# KiCad board cm4-baseboard.kicad_pcb (continued)
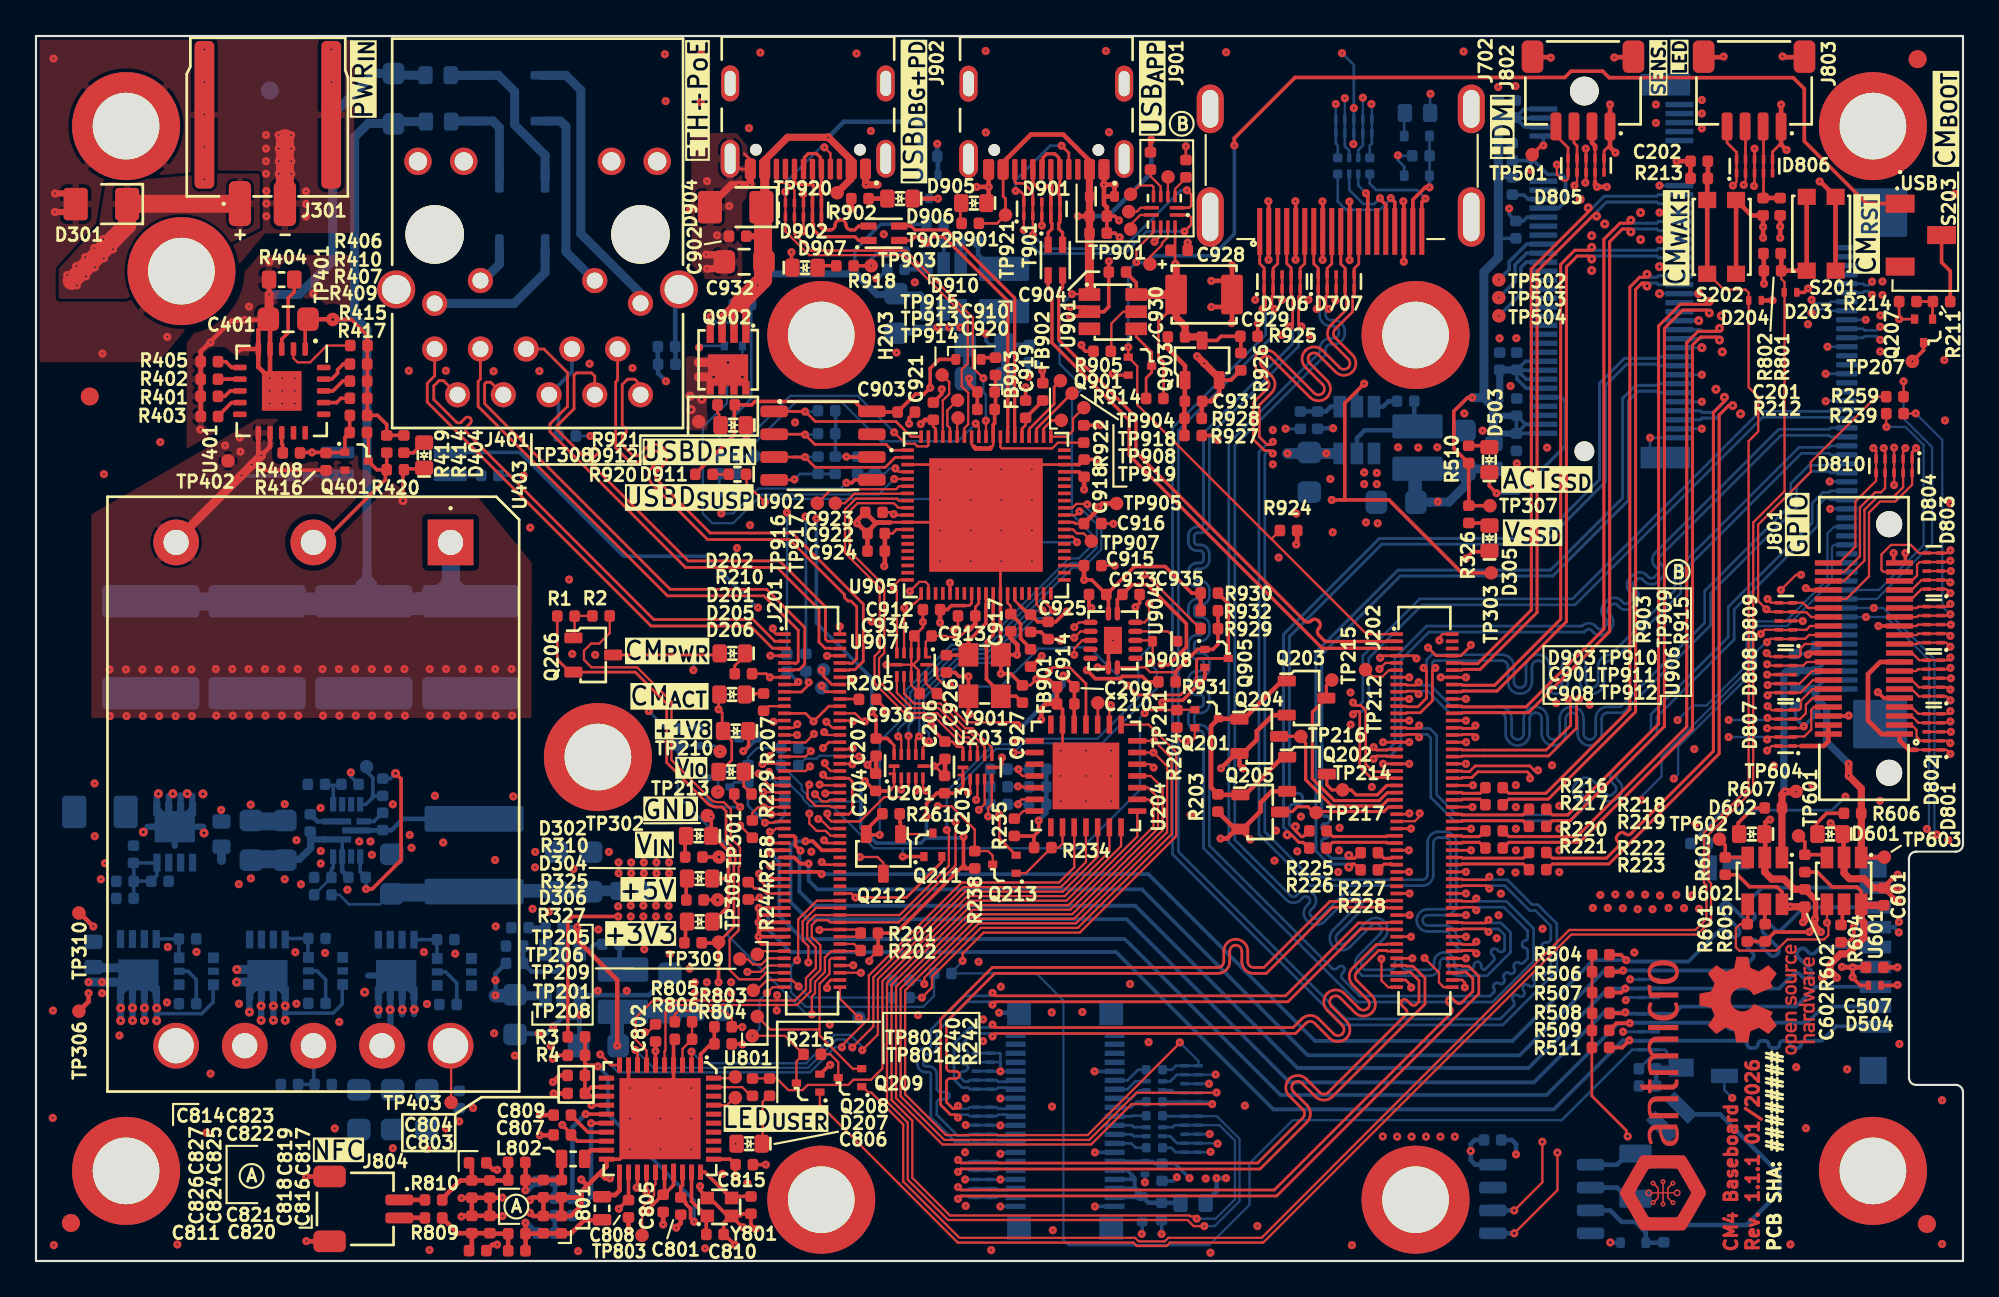
[diagram p0: board, top side]
## Library data of the parts (continued)
R308 R322-R324 R328 = -: Datasheet: https://fscdn.rohm.com/en/products/databook/datasheet/passive/resistor/chip_resistor/pmr-jpw-e.pdf; Manufacturer: ROHM Semiconductor; MPN: PMR03EZPJ000; Val: 0R; Author: Antmicro; License: Apache-2.0; Max. Curr.: 22.4A; Tolerance: template_tolerance
R316 R917 = -: Datasheet: https://www.bourns.com/docs/product-datasheets/cr.pdf; Manufacturer: Bourns; MPN: CR0402-FX-1502GLF; Val: 15k; License: Apache-2.0; Author: Antmicro; Tolerance: 1%
R317 = -: Datasheet: https://www.bourns.com/docs/product-datasheets/cr.pdf; MPN: CR0402-FX-2001GLF; Manufacturer: Bourns; License: Apache-2.0; Author: Antmicro; Val: 2k; Tolerance: 1%
R318 R320 R912 = -: Datasheet: https://www.bourns.com/docs/product-datasheets/cr.pdf; MPN: CR0402-FX-6801GLF; Manufacturer: Bourns; License: Apache-2.0; Author: Antmicro; Val: 6k8; Tolerance: 1%
R401 = -: Datasheet: https://www.bourns.com/docs/product-datasheets/cr.pdf; Manufacturer: Bourns; MPN: CR0402-FX-1301GLF; Val: 1k3; License: Apache-2.0; Author: Antmicro; Tolerance: 1%
R402 = -: Datasheet: https://www.bourns.com/docs/product-datasheets/cr.pdf; Manufacturer: Bourns; MPN: CR0402-FX-4992GLF; Val: 49k9; License: Apache-2.0; Author: Antmicro; Tolerance: 1%
R404 = -: Datasheet: https://www.bourns.com/docs/product-datasheets/cr.pdf; Manufacturer: Bourns; MPN: CR0603-FX-63R4ELF; Val: 63R4; License: Apache-2.0; Author: Antmicro; Tolerance: 1%
R405 = -: Datasheet: https://www.bourns.com/docs/product-datasheets/cr.pdf; Manufacturer: Bourns; MPN: CR0402-FX-1201GLF; Val: 1k2; License: Apache-2.0; Author: Antmicro; Tolerance: 1%
R406 R414 = -: Datasheet: https://www.bourns.com/docs/product-datasheets/cr.pdf; Manufacturer: Bourns; MPN: CR0402-FX-2492GLF; Val: 24k9; License: Apache-2.0; Author: Antmicro; Tolerance: 1%
R415 R419 = -: Datasheet: https://www.bourns.com/docs/product-datasheets/cr.pdf; Manufacturer: Bourns; MPN: CR0402-FX-4703GLF; Val: 470k; License: Apache-2.0; Author: Antmicro; Tolerance: 1%
R701 = -: Datasheet: http://industrial.panasonic.com/cdbs/www-data/pdf/AOC0000/AOC0000C14.pdf; MPN: EXB-28V101JX; Manufacturer: Panasonic; License: Apache-2.0; Author: Antmicro; Val: R_4x100R_0402
R705 R706 = -: Datasheet: http://industrial.panasonic.com/cdbs/www-data/pdf/AOC0000/AOC0000C14.pdf; MPN: EXB-28V101JX; Manufacturer: Panasonic; Author: Antmicro; License: Apache-2.0; Val: R_4x100R_0402
R807 R808 R811 = -: Datasheet: https://www.bourns.com/docs/product-datasheets/cr.pdf; Description: SMD Chip Resistor, 2.2 kohm, ± 1%, 62.5 mW, 0402 [1005 Metric], Thick Film, General Purpose; MPN: CR0402-FX-2201GLF; Manufacturer: Bourns; License: Apache-2.0; Author: Antmicro; Val: 2k2; Tolerance: 1%
R903 = -: Datasheet: https://www.bourns.com/docs/product-datasheets/cr.pdf; MPN: CR0402-FX-9103GLF; Manufacturer: Bourns; License: Apache-2.0; Author: Antmicro; Val: 910k; Tolerance: 1%
R921 = -: Datasheet: https://www.bourns.com/docs/product-datasheets/cr.pdf; MPN: CR0402-FX-4700GLF; Manufacturer: Bourns; License: Apache-2.0; Author: Antmicro; Val: 470R; Tolerance: 1%
R922 = -: Datasheet: https://www.bourns.com/docs/product-datasheets/cr.pdf; Manufacturer: Bourns; MPN: CR0402-FX-1202GLF; Val: 12k; License: Apache-2.0; Author: Antmicro; Tolerance: 1%
R926 = -: Datasheet: https://www.bourns.com/docs/product-datasheets/cr.pdf; MPN: CR0402-FX-2000GLF; Manufacturer: Bourns; License: Apache-2.0; Author: Antmicro; Val: 200R; Tolerance: 1%
S201 S202 = -: Datasheet: http://www.farnell.com/datasheets/2631211.pdf; MPN: KMR211NGLFS; Manufacturer: C&K; Author: Antmicro; License: Apache-2.0
S203 = -: Datasheet: https://www.nidec-components.com/e/catalog/switch/cas.pdf; Manufacturer: Nidec Components; Author: Antmicro; License: Apache-2.0
T901 T902 = -: Datasheet: https://www.murata.com/en-us/products/productdetail?partno=DLW21SN900SQ2%23; Manufacturer: Murata; MPN: DLW21SN900SQ2L; IMax: 0.33 A; Author: Antmicro; License: Apache-2.0; ki_fp_filters: IND_ACM9070_TDK
TP201-TP217 TP301-TP310 TP401-TP403 TP501-TP504 TP601-TP604 TP801-TP803 TP901-TP921 = -: Author: Antmicro; License: Apache-2.0
U201 U203 U907 = -: Datasheet: http://www.ti.com/lit/ds/symlink/txb0104.pdf; Manufacturer: Texas Instruments; MPN: TXB0104RUTR; Author: Antmicro; License: Apache-2.0; ki_fp_filters: Texas*R*PUQFN*N12*
U204 = -: Datasheet: https://ww1.microchip.com/downloads/aemDocuments/documents/APID/ProductDocuments/DataSheets/MCP23017-Data-Sheet-DS20001952.pdf; Manufacturer: Microchip Technology; MPN: MCP23017T-E/ML; Author: Antmicro; License: Apache-2.0
U301 U302 U903 = -: Datasheet: https://www.diodes.com/assets/Datasheets/AP62300_AP62301_AP62300T.pdf; MPN: AP62301WU-7; Manufacturer: Diodes Incorporated; Author: Antmicro; License: Apache-2.0
U303 = -: Datasheet: https://www.diodes.com/assets/Datasheets/AP62600.pdf; Manufacturer: Diodes Incorporated; Author: Antmicro; License: Apache-2.0
U401 = -: Datasheet: https://www.ti.com/lit/ds/symlink/tps2372.pdf?ts=1679042478513&ref_url=https%253A%252F%252Fwww.google.com%252F; Manufacturer: Texas Instruments; Author: Antmicro; License: Apache-2.0
U402 = -: Datasheet: https://docs.broadcom.com/doc/AV02-0470EN; Description: Broadcom ACPL-217-500E DC Input Transistor Output Optocoupler, Surface Mount, 4-Pin SO; Manufacturer: Broadcom; Author: Antmicro; License: Apache-2.0
U403 = -: Datasheet: https://www.murata.com/products/productdata/8807040286750/uls.pdf?1649388617000; Description: Isolated Through Hole DC/DC Converter, ITE, 2:1, 60 W, 1 Output, 12 V, 5 A; Manufacturer: Murata; MPN: ULS-12/5-D48N-C; Author: Antmicro; License: Apache-2.0; Alternatives 50W: VCB4812SBO-50WR3, V36SE12004NRFA, PKU5513ESI, KHHD004A2B41Z; Alternatives 75W: VCB4812SBO-75WR3; Alternatives 100W: PKU4913DPIHS, VCB4812SBO-100WFR3; Alternatives 120W: PQC50-48-S12-O
U601 U602 U901 = -: Datasheet: https://www.mouser.com/datasheet/2/115/DIOD_S_A0008958405_1-2543193.pdf; MPN: AP22615AWU-7; Manufacturer: Diodes Incorporated; Author: Antmicro; License: Apache-2.0
U801 = -: Datasheet: https://www.nxp.com/docs/en/data-sheet/PN7160_PN7161.pdf; MPN: PN7160A1HN/C100E; Manufacturer: NXP; Author: Antmicro; License: Apache-2.0; ki_fp_filters: QFN40_PN7160_NXP QFN40_PN7160_NXP-M QFN40_PN7160_NXP-L
U802 = -: Datasheet: https://www.analog.com/media/en/technical-documentation/data-sheets/DS1338-DS1338Z.pdf; Description: Real-time clock/calendar,  1.71V-5.5V supply, I2C, SOIC-8; MPN: DS1338Z-18+; Manufacturer: Maxim Integrated Products; Author: Antmicro; License: Apache-2.0
U902 = -: Datasheet: https://ww1.microchip.com/downloads/aemDocuments/documents/MPD/ProductDocuments/DataSheets/93AA66X-93LC66X-93C66X-4-Kbit-Microwire-Compatible-Serial-EEPROM-Data-Sheet.pdf; MPN: 93AA66C-I/SN; Manufacturer: Microchip Technology; Author: Antmicro; License: Apache-2.0; ki_fp_filters: DIP*W7.62mm* SOIC*3.9x4.9mm*
U904 = -: Datasheet: https://www.nxp.com/docs/en/data-sheet/NTS0104.pdf; MPN: NTS0104BQ; Manufacturer: NXP; Author: Antmicro; License: Apache-2.0
U905 = -: Datasheet: https://ftdichip.com/wp-content/uploads/2023/09/DS_FT4233HP-v1.5.pdf; MPN: FT4233HPQ-REEL; Manufacturer: FTDI Chip; License: Apache-2.0; Author: Antmicro
U906 = -: Datasheet: https://www.ti.com/lit/ds/symlink/tusb321.pdf?ts=1709901243739; Manufacturer: Texas Instruments; Author: Antmicro; License: Apache-2.0
Y801 = -: Datasheet: https://www.murata.com/products/productdata/8801078247454/SPEC-XRCGB27M120F3M13R0.pdf?1541043011000; MPN: XRCGB27M120F3M13R0; Manufacturer: Murata; Author: Antmicro; License: Apache-2.0; Val: 27.12MHz; CLoad: 10pF
Y802 = -: Datasheet: https://www.microcrystal.com/fileadmin/Media/Products/32kHz/Datasheet/CM7V-T1A.pdf; Description: Crystal, 32.768 kHz, SMD, 3.2mm x 1.5mm, 12.5 pF, 20 ppm, CC7V-T1A; MPN: CM7V-T1A-32.768kHz-12.5pF-20PPM-TC-QA; Manufacturer: Micro Crystal; Val: 32.768 kHz; Author: Antmicro; License: Apache-2.0
Y901 = -: Datasheet: https://abracon.com/Resonators/ABM8G.pdf; MPN: ABM8G-12.000MHZ-18-D2Y-T; Manufacturer: Abracon; Val: 12 MHz; Author: Antmicro; License: Apache-2.0

## Footprints (pads in the part's own frame, mm; a bottom-side part is the same pattern mirrored in y, then rotated)
Bus_M.2_Socket_Key_M_TE_1-2199230-6
  round 1.1 hole 1.1 unplated: (-10,-1.499)
  round 1.6 hole 1.6 unplated: (9.997,-1.499)
  rect 0.3x1.55 smd: 1(-9.25,3.775) 2(-9.003,-3.773) 3(-8.753,3.775) 4(-8.503,-3.773) 5(-8.253,3.775) 6(-8.001,-3.773) 7(-7.752,3.775) 8(-7.502,-3.773) 9(-7.252,3.775) 10(-7.002,-3.773) 11(-6.752,3.775) 12(-6.502,-3.773) 13(-6.252,3.775) 14(-6.002,-3.773) 15(-5.752,3.775) 16(-5.502,-3.773) 17(-5.252,3.775) 18(-5.002,-3.773) 19(-4.752,3.775) 20(-4.502,-3.773) 21(-4.252,3.775) 22(-4.002,-3.773) 23(-3.751,3.775) 24(-3.501,-3.773) 25(-3.251,3.775) 26(-3.001,-3.773) 27(-2.751,3.775) 28(-2.501,-3.773) 29(-2.251,3.775) 30(-2.001,-3.773) 31(-1.752,3.775) 32(-1.502,-3.773) 33(-1.252,3.775) 34(-1.002,-3.773) 35(-0.751,3.775) 36(-0.501,-3.773) 37(-0.251,3.775) 38(-0.001,-3.773) 39(0.248,3.775) 40(0.498,-3.773) 41(0.748,3.775) 42(0.998,-3.773) 43(1.249,3.775) 44(1.499,-3.773) 45(1.749,3.775) 46(1.999,-3.773) 47(2.249,3.775) 48(2.499,-3.773) 49(2.749,3.775) 50(2.999,-3.773) 51(3.249,3.775) 52(3.499,-3.773) 53(3.749,3.775) 54(3.999,-3.773) 55(4.248,3.775) 56(4.498,-3.773) 57(4.748,3.775) 58(4.998,-3.773) 67(7.248,3.775) 68(7.498,-3.773) 69(7.748,3.775) 70(7.998,-3.773) 71(8.247,3.775) 72(8.497,-3.773) 73(8.747,3.775) 74(8.997,-3.773) 75(9.247,3.775)
  rect 1.2x2.75 smd: MP1(-10.352,3) MP2(10.349,3)
C_0402_1005Metric
  rrect 0.59x0.64 smd: 1(-0.48,0) 2(0.48,0)
C_0805_2012Metric
  rrect 1.2x1.3 smd: 1(-1.1,0) 2(1.1,0)
C_2220_5650Metric
  rrect 1.8x5.4 smd: 1(-2.55,0) 2(2.55,0)
C_Pol_EIA-B
  rrect 1.2x2.2 smd: 1(-1.551,0) 2(1.55,0)
Choke_Murata-DLW21
  rrect 0.9x0.4 smd: 1(-0.85,-0.4) 2(0.85,-0.4) 3(0.85,0.4) 4(-0.85,0.4)
Conn_FFC_WE_68715014x22
  rrect 0.3x1.2 smd: 1(-12.25,2.15) 2(-11.75,2.15) 3(-11.25,2.15) 4(-10.75,2.15) 5(-10.25,2.15) 6(-9.75,2.15) 7(-9.25,2.15) 8(-8.75,2.15) 9(-8.25,2.15) 10(-7.75,2.15) 11(-7.25,2.15) 12(-6.75,2.15) 13(-6.25,2.15) 14(-5.75,2.15) 15(-5.25,2.15) 16(-4.75,2.15) 17(-4.25,2.15) 18(-3.75,2.15) 19(-3.25,2.15) 20(-2.75,2.15) 21(-2.25,2.15) 22(-1.75,2.15) 23(-1.25,2.15) 24(-0.75,2.15) 25(-0.25,2.15) 26(0.248,2.15) 27(0.748,2.15) 28(1.249,2.15) 29(1.749,2.15) 30(2.249,2.15) 31(2.749,2.15) 32(3.249,2.15) 33(3.749,2.15) 34(4.248,2.15) 35(4.748,2.15) 36(5.248,2.15) 37(5.749,2.15) 38(6.249,2.15) 39(6.749,2.15) 40(7.249,2.15) 41(7.749,2.15) 42(8.249,2.15) 43(8.749,2.15) 44(9.249,2.15) 45(9.749,2.15) 46(10.249,2.15) 47(10.749,2.15) 48(11.249,2.15) 49(11.749,2.15) 50(12.249,2.15)
  rrect 2.7x3 smd: MP1(-14.198,0.3) MP2(14.198,0.3)
Conn_JST_SH_1x2_SM02B-SRSS-TB-LF-SN
  rrect 0.6x1.55 smd: 1(-0.5,1.975) 2(0.5,1.975)
  rrect 1.2x1.8 smd: MP(-1.8,-1.9) MP(1.8,-1.9)
Conn_JST_SH_1x4_SM04B-SRSS-TB-LF-SN
  rrect 0.6x1.55 smd: 1(-1.5,2.12) 2(-0.5,2.12) 3(0.5,2.12) 4(1.5,2.12)
  rrect 1.2x1.8 smd: MP(-2.8,-1.755) MP(2.8,-1.755)
Conn_Molex_Nano-Fit_1x2_SMD_1054301202
  rrect 1.24x2.5 smd: 1(1.528,4.901) 2(-0.97,4.901)
  rrect 1.1x8.2 smd: MP(-3.54,-0.029) MP(3.499,-0.029)
Conn_Socket_Hirose_DF40_2x50_DF40HC-3.0-100DS-0.4V
  rect 0.2x0.7 smd: 1(-9.798,-1.547) 2(-9.798,1.534) 3(-9.398,-1.547) 4(-9.398,1.534) 5(-8.997,-1.547) 6(-8.997,1.534) 7(-8.597,-1.547) 8(-8.597,1.534) 9(-8.196,-1.547) 10(-8.196,1.534) 11(-7.797,-1.547) 12(-7.797,1.534) 13(-7.397,-1.547) 14(-7.397,1.534) 15(-6.997,-1.547) 16(-6.997,1.534) 17(-6.596,-1.547) 18(-6.596,1.534) 19(-6.197,-1.547) 20(-6.197,1.534) 21(-5.797,-1.547) 22(-5.797,1.534) 23(-5.398,-1.547) 24(-5.398,1.534) 25(-4.997,-1.547) 26(-4.997,1.534) 27(-4.596,-1.547) 28(-4.596,1.534) 29(-4.197,-1.547) 30(-4.197,1.534) 31(-3.795,-1.547) 32(-3.795,1.534) 33(-3.396,-1.547) 34(-3.396,1.534) 35(-2.997,-1.547) 36(-2.997,1.534) 37(-2.598,-1.547) 38(-2.598,1.534) 39(-2.198,-1.547) 40(-2.198,1.534) 41(-1.798,-1.547) 42(-1.798,1.534) 43(-1.396,-1.547) 44(-1.396,1.534) 45(-0.997,-1.547) 46(-0.997,1.534) 47(-0.597,-1.547) 48(-0.597,1.534) 49(-0.198,-1.547) 50(-0.198,1.534) 51(0.203,-1.547) 52(0.203,1.534) 53(0.602,-1.547) 54(0.602,1.534) 55(1.002,-1.547) 56(1.002,1.534) 57(1.401,-1.547) 58(1.401,1.534) 59(1.803,-1.547) 60(1.803,1.534) 61(2.203,-1.547) 62(2.203,1.534) 63(2.603,-1.547) 64(2.603,1.534) 65(3.002,-1.547) 66(3.002,1.534) 67(3.402,-1.547) 68(3.402,1.534) 69(3.802,-1.547) 70(3.802,1.534) 71(4.203,-1.547) 72(4.203,1.534) 73(4.602,-1.547) 74(4.602,1.534) 75(5.002,-1.547) 76(5.002,1.534) 77(5.403,-1.547) 78(5.403,1.534) 79(5.802,-1.547) 80(5.802,1.534) 81(6.203,-1.547) 82(6.203,1.534) 83(6.602,-1.547) 84(6.602,1.534) 85(7.001,-1.547) 86(7.001,1.534) 87(7.403,-1.547) 88(7.403,1.534) 89(7.802,-1.547) 90(7.802,1.534) 91(8.202,-1.547) 92(8.202,1.534) 93(8.602,-1.547) 94(8.602,1.534) 95(9.002,-1.547) 96(9.002,1.534) 97(9.403,-1.547) 98(9.403,1.534) 99(9.803,-1.547) 100(9.803,1.534)
Conn_Socket_Molex_SlimStack_2x20_543630489
  rect 0.3x1.1 smd: 1(-4.748,-2.755) 2(-4.748,2.742) 3(-4.248,-2.755) 4(-4.248,2.742) 5(-3.748,-2.755) 6(-3.748,2.742) 7(-3.248,-2.755) 8(-3.248,2.742) 9(-2.748,-2.755) 10(-2.748,2.742) 11(-2.248,-2.755) 12(-2.248,2.742) 13(-1.748,-2.755) 14(-1.748,2.742) 15(-1.248,-2.755) 16(-1.248,2.742) 17(-0.748,-2.755) 18(-0.748,2.742) 19(-0.248,-2.755) 20(-0.248,2.742) 21(0.252,-2.755) 22(0.252,2.742) 23(0.752,-2.755) 24(0.752,2.742) 25(1.252,-2.755) 26(1.252,2.742) 27(1.752,-2.755) 28(1.752,2.742) 29(2.251,-2.755) 30(2.251,2.742) 31(2.751,-2.755) 32(2.751,2.742) 33(3.251,-2.755) 34(3.251,2.742) 35(3.751,-2.755) 36(3.751,2.742) 37(4.252,-2.755) 38(4.252,2.742) 39(4.752,-2.755) 40(4.752,2.742)
  rect 1.3x1.32 smd: MP(-5.949,-2.568) MP(-5.949,2.552) MP(5.953,2.552) MP(5.958,-2.568)
Conn_Socket_Samtec_ERF5_2x20_ERF5-020-05.0-L-DV-K-TR
  round 1.45 hole 1.45 unplated: (-6.9,-1.401) (6.901,-1.401)
  rect 0.3x1.5 smd: 1(-4.748,-1.976) 2(-4.748,1.975) 3(-4.248,-1.976) 4(-4.248,1.975) 5(-3.749,-1.976) 6(-3.749,1.975) 7(-3.249,-1.976) 8(-3.249,1.975) 9(-2.749,-1.976) 10(-2.749,1.975) 11(-2.249,-1.976) 12(-2.249,1.975) 13(-1.749,-1.976) 14(-1.749,1.975) 15(-1.249,-1.976) 16(-1.249,1.975) 17(-0.748,-1.976) 18(-0.748,1.975) 19(-0.248,-1.976) 20(-0.248,1.975) 21(0.25,-1.976) 22(0.25,1.975) 23(0.75,-1.976) 24(0.75,1.975) 25(1.25,-1.976) 26(1.25,1.975) 27(1.75,-1.976) 28(1.75,1.975) 29(2.25,-1.976) 30(2.25,1.975) 31(2.75,-1.976) 32(2.75,1.975) 33(3.25,-1.976) 34(3.25,1.975) 35(3.75,-1.976) 36(3.75,1.975) 37(4.25,-1.976) 38(4.25,1.975) 39(4.75,-1.976) 40(4.75,1.975)
Conv_Murata_ULS-60W
  rect 2.54x2.54 hole 1.4: 1(0,0)
  round 2.54 hole 1.4: 2(0,-7.62) 3(0,-15.24) 5(27.94,-11.43) 6(27.94,-7.62) 7(27.94,-3.81)
  round 2.54 hole 1.956: 4(27.94,-15.24) 8(27.94,0)
D_SOD-123F
  rrect 1.2x1.2 smd: 1(-1.401,0) 2(1.398,0)
DFN3538
  rrect 0.48x1.4 smd: 1(-1.27,1.85) 2(1.27,1.85) 3(-1.27,-1.85) 4(1.27,-1.85)
DHVQFN-14-1EP_2.5x3mm
  oval 0.3x0.8 smd: 1(-0.25,1.5) 7(-0.25,-1.499) 8(0.244,-1.499) 14(0.244,1.5)
  oval 0.8x0.3 smd: 2(-1.25,1) 3(-1.25,0.5) 4(-1.25,0) 5(-1.25,-0.494) 6(-1.25,-0.994) 9(1.249,-0.994) 10(1.249,-0.494) 11(1.249,0) 12(1.249,0.5) 13(1.249,1)
  rect 1x1.5 smd: 15(0,0)
FB_0402_1005Metric
  rrect 0.59x0.64 smd: 1(-0.48,0) 2(0.48,0)
FB_0603_1608Metric
  rrect 0.8x1 smd: 1(-0.7,0) 2(0.7,0)
Fiducial_1mm_Mask2mm
  round 1 smd: (0,0)
HDMI-A_Receptacle_WE_685119134923
  rect 0.28x2.6 smd: 1(-4.55,-5.224) 2(-4.05,-5.224) 3(-3.551,-5.224) 4(-3.051,-5.224) 5(-2.551,-5.224) 6(-2.05,-5.224) 7(-1.551,-5.224) 8(-1.051,-5.224) 9(-0.551,-5.224) 10(-0.051,-5.224) 11(0.45,-5.224) 12(0.95,-5.224) 13(1.449,-5.224) 14(1.949,-5.224) 15(2.45,-5.224) 16(2.95,-5.224) 17(3.45,-5.224) 18(3.95,-5.224) 19(4.45,-5.224)
  oval 1.5x2.7 hole 0.9x2.1: SH(-7.3,1.577) SH(7.2,1.577)
  oval 1.5x3.3 hole 0.9x2.7: SH(-7.3,-4.424) SH(7.2,-4.424)
L_Bourns-SRP3212A
  rrect 1.35x2.8 smd: 1(-1.175,0) 2(1.175,0)
L_Coilcraft-XAL6030
  rrect 1.43x5.5 smd: 1(-2.02,0) 2(2.019,0)
L_TE_0603_1811Metric
  rrect 0.64x1.02 smd: 1(-0.64,0) 2(0.64,0)
LED_0402_1005Metric_Y
  rrect 0.59x0.64 smd: 1(-0.48,0) 2(0.48,0)
LED_0603_1608Metric_G
  rrect 0.8x1 smd: 1(-0.7,0) 2(0.7,0)
MicroSD_Amphenol_1140084168
  rect 0.7x1.75 smd: 1(3.124,-5.254) 2(2.024,-5.254) 3(0.925,-5.254) 4(-0.176,-5.254) 5(-1.276,-5.254) 6(-2.375,-5.254) 7(-3.476,-5.254) 8(-4.576,-5.254)
  rect 1.4x1 smd: 9(-5.675,4.05)
  rect 1x1.4 smd: 10(5.424,5.531)
  rect 0.8x1.5 smd: SH(-5.976,2.48) SH(5.874,3.13)
  rect 1.3x1.5 smd: SH(-5.776,-5.129)
  rect 1.5x1.5 smd: SH(5.575,-5.129)
MS621FE-FL11E
  rect 0.75x1.8 smd: 1(-0.75,4.05) 2(0.75,4.05)
Nexperia_DFN-10_2.5x1mm_P0.5mm
  rect 0.2x0.475 smd: 1(-1,-0.388) 2(-0.5,-0.388) 3(0,-0.388) 4(0.5,-0.388) 5(1,-0.388) 6(1,0.388) 7(0.5,0.388) 8(0,0.388) 9(-0.501,0.388) 10(-1,0.388)
QFN-28-1EP_6x6mm_P0.65mm_EP3.7x3.7mm
  rect 1x0.31 smd: 1(-2.85,1.95) 2(-2.85,1.3) 3(-2.85,0.65) 4(-2.85,0) 5(-2.85,-0.65) 6(-2.85,-1.3) 7(-2.85,-1.95) 15(2.85,-1.95) 16(2.85,-1.3) 17(2.85,-0.65) 18(2.85,0) 19(2.85,0.65) 20(2.85,1.3) 21(2.85,1.95)
  rect 0.31x1 smd: 8(-1.95,-2.85) 9(-1.3,-2.85) 10(-0.65,-2.85) 11(0,-2.85) 12(0.65,-2.85) 13(1.3,-2.85) 14(1.95,-2.85) 22(1.95,2.85) 23(1.3,2.85) 24(0.65,2.85) 25(0,2.85) 26(-0.65,2.85) 27(-1.3,2.85) 28(-1.95,2.85)
  rect 3.7x3.7 smd: 29(0,0)
QFN-76-1EP_9x9mm_P0.4mm_EP6.3x6.3mm
  rect 0.7x0.2 smd: 1(-4.35,3.6) 2(-4.35,3.2) 3(-4.35,2.8) 4(-4.35,2.4) 5(-4.35,2) 6(-4.35,1.6) 7(-4.35,1.2) 8(-4.35,0.8) 9(-4.35,0.4) 10(-4.35,0) 11(-4.35,-0.4) 12(-4.35,-0.8) 13(-4.35,-1.2) 14(-4.35,-1.6) 15(-4.35,-2) 16(-4.35,-2.4) 17(-4.35,-2.8) 18(-4.35,-3.2) 19(-4.35,-3.6) 39(4.35,-3.6) 40(4.35,-3.2) 41(4.35,-2.8) 42(4.35,-2.4) 43(4.35,-2) 44(4.35,-1.6) 45(4.35,-1.2) 46(4.35,-0.8) 47(4.35,-0.4) 48(4.35,0) 49(4.35,0.4) 50(4.35,0.8) 51(4.35,1.2) 52(4.35,1.6) 53(4.35,2) 54(4.35,2.4) 55(4.35,2.8) 56(4.35,3.2) 57(4.35,3.6)
  rect 0.2x0.7 smd: 20(-3.6,-4.35) 21(-3.2,-4.35) 22(-2.8,-4.35) 23(-2.4,-4.35) 24(-2,-4.35) 25(-1.6,-4.35) 26(-1.2,-4.35) 27(-0.8,-4.35) 28(-0.4,-4.35) 29(0,-4.35) 30(0.4,-4.35) 31(0.8,-4.35) 32(1.2,-4.35) 33(1.6,-4.35) 34(2,-4.35) 35(2.4,-4.35) 36(2.8,-4.35) 37(3.2,-4.35) 38(3.6,-4.35) 58(3.6,4.35) 59(3.2,4.35) 60(2.8,4.35) 61(2.4,4.35) 62(2,4.35) 63(1.6,4.35) 64(1.2,4.35) 65(0.8,4.35) 66(0.4,4.35) 67(0,4.35) 68(-0.4,4.35) 69(-0.8,4.35) 70(-1.2,4.35) 71(-1.6,4.35) 72(-2,4.35) 73(-2.4,4.35) 74(-2.8,4.35) 75(-3.2,4.35) 76(-3.6,4.35)
  rect 6.3x6.3 smd: 77(0,0)
R_0402_1005Metric
  rrect 0.59x0.64 smd: 1(-0.48,0) 2(0.48,0)
R_0603_1608Metric
  rrect 0.8x1 smd: 1(-0.7,0) 2(0.7,0)
R_Array_4x0402_Panasonic_EXB28V
  rrect 0.525x0.5 smd: 1(-0.887,-0.45) 4(0.887,-0.45) 5(0.887,0.45) 8(-0.887,0.45)
  rrect 0.25x0.5 smd: 2(-0.25,-0.45) 3(0.25,-0.45) 6(0.25,0.45) 7(-0.25,0.45)
Resonator_SMD_Abracon_ABM8G_3.2x2.5mm
  rrect 1.3x1.1 smd: 1(-1.101,-0.949)
  rect 1.3x1.1 smd: 2(1.199,-0.949) 3(1.199,0.85) 4(-1.101,0.85)
Resonator_SMD_MicroCrystal_CM7V-T1A_3.2x1.5x0.65mm
  rrect 1x1.8 smd: 1(-1.25,0) 2(1.25,0)
Resonator_SMD_Murata_XRCGB_2x1.6x0.65mm
  rect 0.7x0.75 smd: 1(-0.5,0.675) 2(-0.5,-0.675) 3(0.5,-0.675) 4(0.5,0.675)
RJ45_X-2337992-8_Horizontal
  round 3.25 hole 3.25 unplated: (0,-8.9) (11.429,-8.9)
  round 1.397 hole 0.889: 1(0,0) 2(1.269,-2.539) 3(2.539,0) 4(3.809,-2.539) 5(5.078,0) 6(6.349,-2.539) 7(7.618,0) 8(8.89,-2.539) 9(10.159,0) 10(11.429,-2.539) 11(0,-5.078) 12(2.539,-6.339) 13(8.89,-6.339) 14(11.429,-5.07)
  round 1.524 hole 1.016: 15(-0.927,-12.958) 16(1.614,-12.958) 17(9.814,-12.958) 18(12.355,-12.958)
  round 2.1 hole 1.6: 19(-2.136,-5.85)
  round 2.108 hole 1.6: 20(13.563,-5.85)
SOD-123FL
  rrect 1.34x1.8 smd: 1(-1.43,0) 2(1.429,0)
SOD-523
  rrect 0.5x0.6 smd: 1(-0.701,0) 2(0.699,0)
SOIC-4_4.55x2.6mm_P1.27mm
  rrect 1.85x0.65 smd: 1(-3.125,0.635) 2(-3.125,-0.634) 3(3.124,-0.634) 4(3.124,0.635)
SOIC-8_3.9x4.9x1.75mm_P1.27mm
  rrect 1.525x0.65 smd: 1(-2.714,1.905) 2(-2.714,0.635) 3(-2.714,-0.632) 4(-2.714,-1.902) 5(2.712,-1.902) 6(2.712,-0.632) 7(2.712,0.635) 8(2.712,1.905)
SOT-23-3
  rrect 1x0.6 smd: 1(-1.1,0.951) 2(-1.1,-0.949) 3(1.1,0.001)
SOT-363
  custom 0.6x0.6 smd: 1(-0.948,0.752) 3(-0.948,-0.745) 4(0.951,-0.745) 6(0.951,0.752)
  rect 0.6x0.4 smd: 2(-0.948,0.002) 5(0.951,0.002)
SOT-523
  rect 0.4x0.51 smd: 1(-0.5,-0.65) 2(0.498,-0.65) 3(0,0.652)
Spacer_Drill3.7mm_H2.5mm_9774025151R
  custom 2.563x2.563 smd: (-1.7,-1.7) (-1.7,1.7) (1.7,-1.7) (1.7,1.7)
  round 6 hole 3.7: 1(0,0)
Spacer_Drill3.7mm_H2mm_9774020151R
  custom 2.563x2.563 smd: (-1.7,-1.7) (-1.7,1.7) (1.7,-1.7) (1.7,1.7)
  round 6 hole 3.7: 1(0,0)
Spacer_Drill3.7mm_H3mm_9774030151R
  custom 2.563x2.563 smd: (-1.7,1.7) (-1.7,-1.7) (1.7,1.7) (1.7,-1.7)
  round 6 hole 3.7: 1(0,0)
Spacer_Drill3.7mm_H6mm_9774060151R
  custom 2.563x2.563 smd: (-1.7,-1.7) (-1.7,1.7) (1.7,-1.7) (1.7,1.7)
  round 6 hole 3.7: 1(0,0)
SW_KMR211NGLFS_SMD
  rect 0.9x1 smd: 1(-2.048,0.8) 2(2.05,0.8) 3(-2.048,-0.802) 4(2.05,-0.802)
Switch_Slide_CAS-120TA
  rect 1x1.6 smd: 1(-1.75,-1.148) 2(0,1.151) 3(1.749,-1.148)
Texas_X2QFN-12_1.6x1.6mm_P0.4mm
  rrect 0.85x0.2 smd: 1(-0.725,0.2) 2(-0.725,-0.2) 7(0.725,-0.2) 8(0.725,0.2)
  rrect 0.2x0.65 smd: 3(-0.6,-0.825) 4(-0.2,-0.825) 5(0.2,-0.825) 6(0.6,-0.825) 9(0.6,0.825) 10(0.2,0.825) 11(-0.2,0.825) 12(-0.6,0.825)
TP_SMD_0.75mm
  round 0.75 smd: 1(0,0)
TSOT23-6
  rect 1.2x0.7 smd: 1(-1.301,0.947) 2(-1.301,-0.004) 3(-1.301,-0.954) 4(1.299,-0.954) 5(1.299,-0.004) 6(1.299,0.947)
UQFN-12_2x1.7mm_P0.4mm_Texas_RUT
  rect 0.6x0.2 smd: 1(-0.653,0.803) 2(-0.653,0.403) 3(-0.653,0) 4(-0.653,-0.4) 5(-0.653,-0.8) 7(0.65,-0.8) 8(0.65,-0.4) 9(0.65,0) 10(0.65,0.403) 11(0.65,0.803)
  rect 0.15x0.25 smd: 1(-0.425,0.975)
  rect 0.2x0.6 smd: 6(0,-0.8) 12(0,0.803)
USB-C_Receptacle_GCT_USB4105-GF-A
  round 0.65 hole 0.65 unplated: (-2.891,2.426) (2.89,2.426)
  rrect 0.6x1.15 smd: A1(-3.202,3.5) A4(-2.4,3.5) A9(2.398,3.5) A12(3.2,3.5) B1(3.2,3.5) B4(2.398,3.5) B9(-2.4,3.5) B12(-3.202,3.5)
  rrect 0.3x1.15 smd: A5(-1.25,3.5) A6(-0.25,3.5) A7(0.248,3.5) A8(1.249,3.5) B5(1.749,3.5) B6(0.748,3.5) B7(-0.75,3.5) B8(-1.75,3.5)
  oval 1.05x2.1 hole 0.6x1.7: SH(-4.321,2.926) SH(4.32,2.926)
  oval 1x2 hole 0.6x1.4: SH(-4.321,-1.255) SH(4.32,-1.255)
V-QFN2030-12
  rect 0.35x1.6 smd: 1(0.498,0.552) 2(-0.5,0.552) 8(0,-0.55)
  rect 0.8x0.35 smd: 3(-1.45,0.75) 4(-1.45,0.25) 5(-1.45,-0.248) 6(-1.45,-0.748) 9(1.449,-0.748) 10(1.449,-0.248) 11(1.449,0.25) 12(1.449,0.75)
  rect 0.35x0.8 smd: 7(-0.5,-0.949)
VFQFN-40-1EP_6x6mm
  rect 0.85x0.28 smd: 1(-2.975,2.25) 2(-2.975,1.75) 3(-2.975,1.25) 4(-2.975,0.75) 5(-2.975,0.25) 6(-2.975,-0.25) 7(-2.975,-0.75) 8(-2.975,-1.25) 9(-2.975,-1.75) 10(-2.975,-2.25) 21(2.975,-2.25) 22(2.975,-1.75) 23(2.975,-1.25) 24(2.975,-0.75) 25(2.975,-0.25) 26(2.975,0.25) 28(2.975,1.25) 29(2.975,1.75) 30(2.975,2.25)
  rect 0.28x0.85 smd: 11(-2.25,-2.975) 12(-1.75,-2.975) 13(-1.25,-2.975) 14(-0.75,-2.975) 15(-0.25,-2.975) 16(0.25,-2.975) 17(0.75,-2.975) 18(1.25,-2.975) 19(1.75,-2.975) 20(2.25,-2.975) 31(2.25,2.975) 32(1.75,2.975) 33(1.25,2.975) 34(0.75,2.975) 35(0.25,2.975) 36(-0.25,2.975) 37(-0.75,2.975) 38(-1.25,2.975) 39(-1.75,2.975) 40(-2.25,2.975)
  rect 0.96x0.28 smd: 27(2.975,0.75)
  rect 4.5x4.5 smd: 41(0,0)
Vishay_PowerPAK_1212-8_Single
  rect 0.99x0.405 smd: 1(-1.436,0.99) 2(-1.436,0.332) 3(-1.436,-0.33) 4(-1.436,-0.988)
  custom 2.235x2.39 smd: 5(0.557,0)
VQFN-20_5x5x1mm_P0.65mm
  rrect 0.75x0.31 smd: 1(-2.327,1.301) 2(-2.327,0.652) 3(-2.327,0) 4(-2.327,-0.65) 5(-2.327,-1.3) 11(2.325,-1.3) 12(2.325,-0.65) 13(2.325,0) 14(2.325,0.652) 15(2.325,1.301)
  rrect 0.31x0.75 smd: 6(-1.301,-2.325) 7(-0.652,-2.325) 8(0,-2.325) 9(0.65,-2.325) 10(1.3,-2.325) 16(1.3,2.327) 17(0.65,2.327) 18(0,2.327) 19(-0.652,2.327) 20(-1.301,2.327)
  rect 2.2x2.2 smd: 21(0,0)
XDFN-2_1x0.60mm
  rrect 0.3x0.5 smd: 1(-0.351,0) 2(0.349,0)
